# Altium PCB S7.PcbDoc (part 4 of 6) (continued)
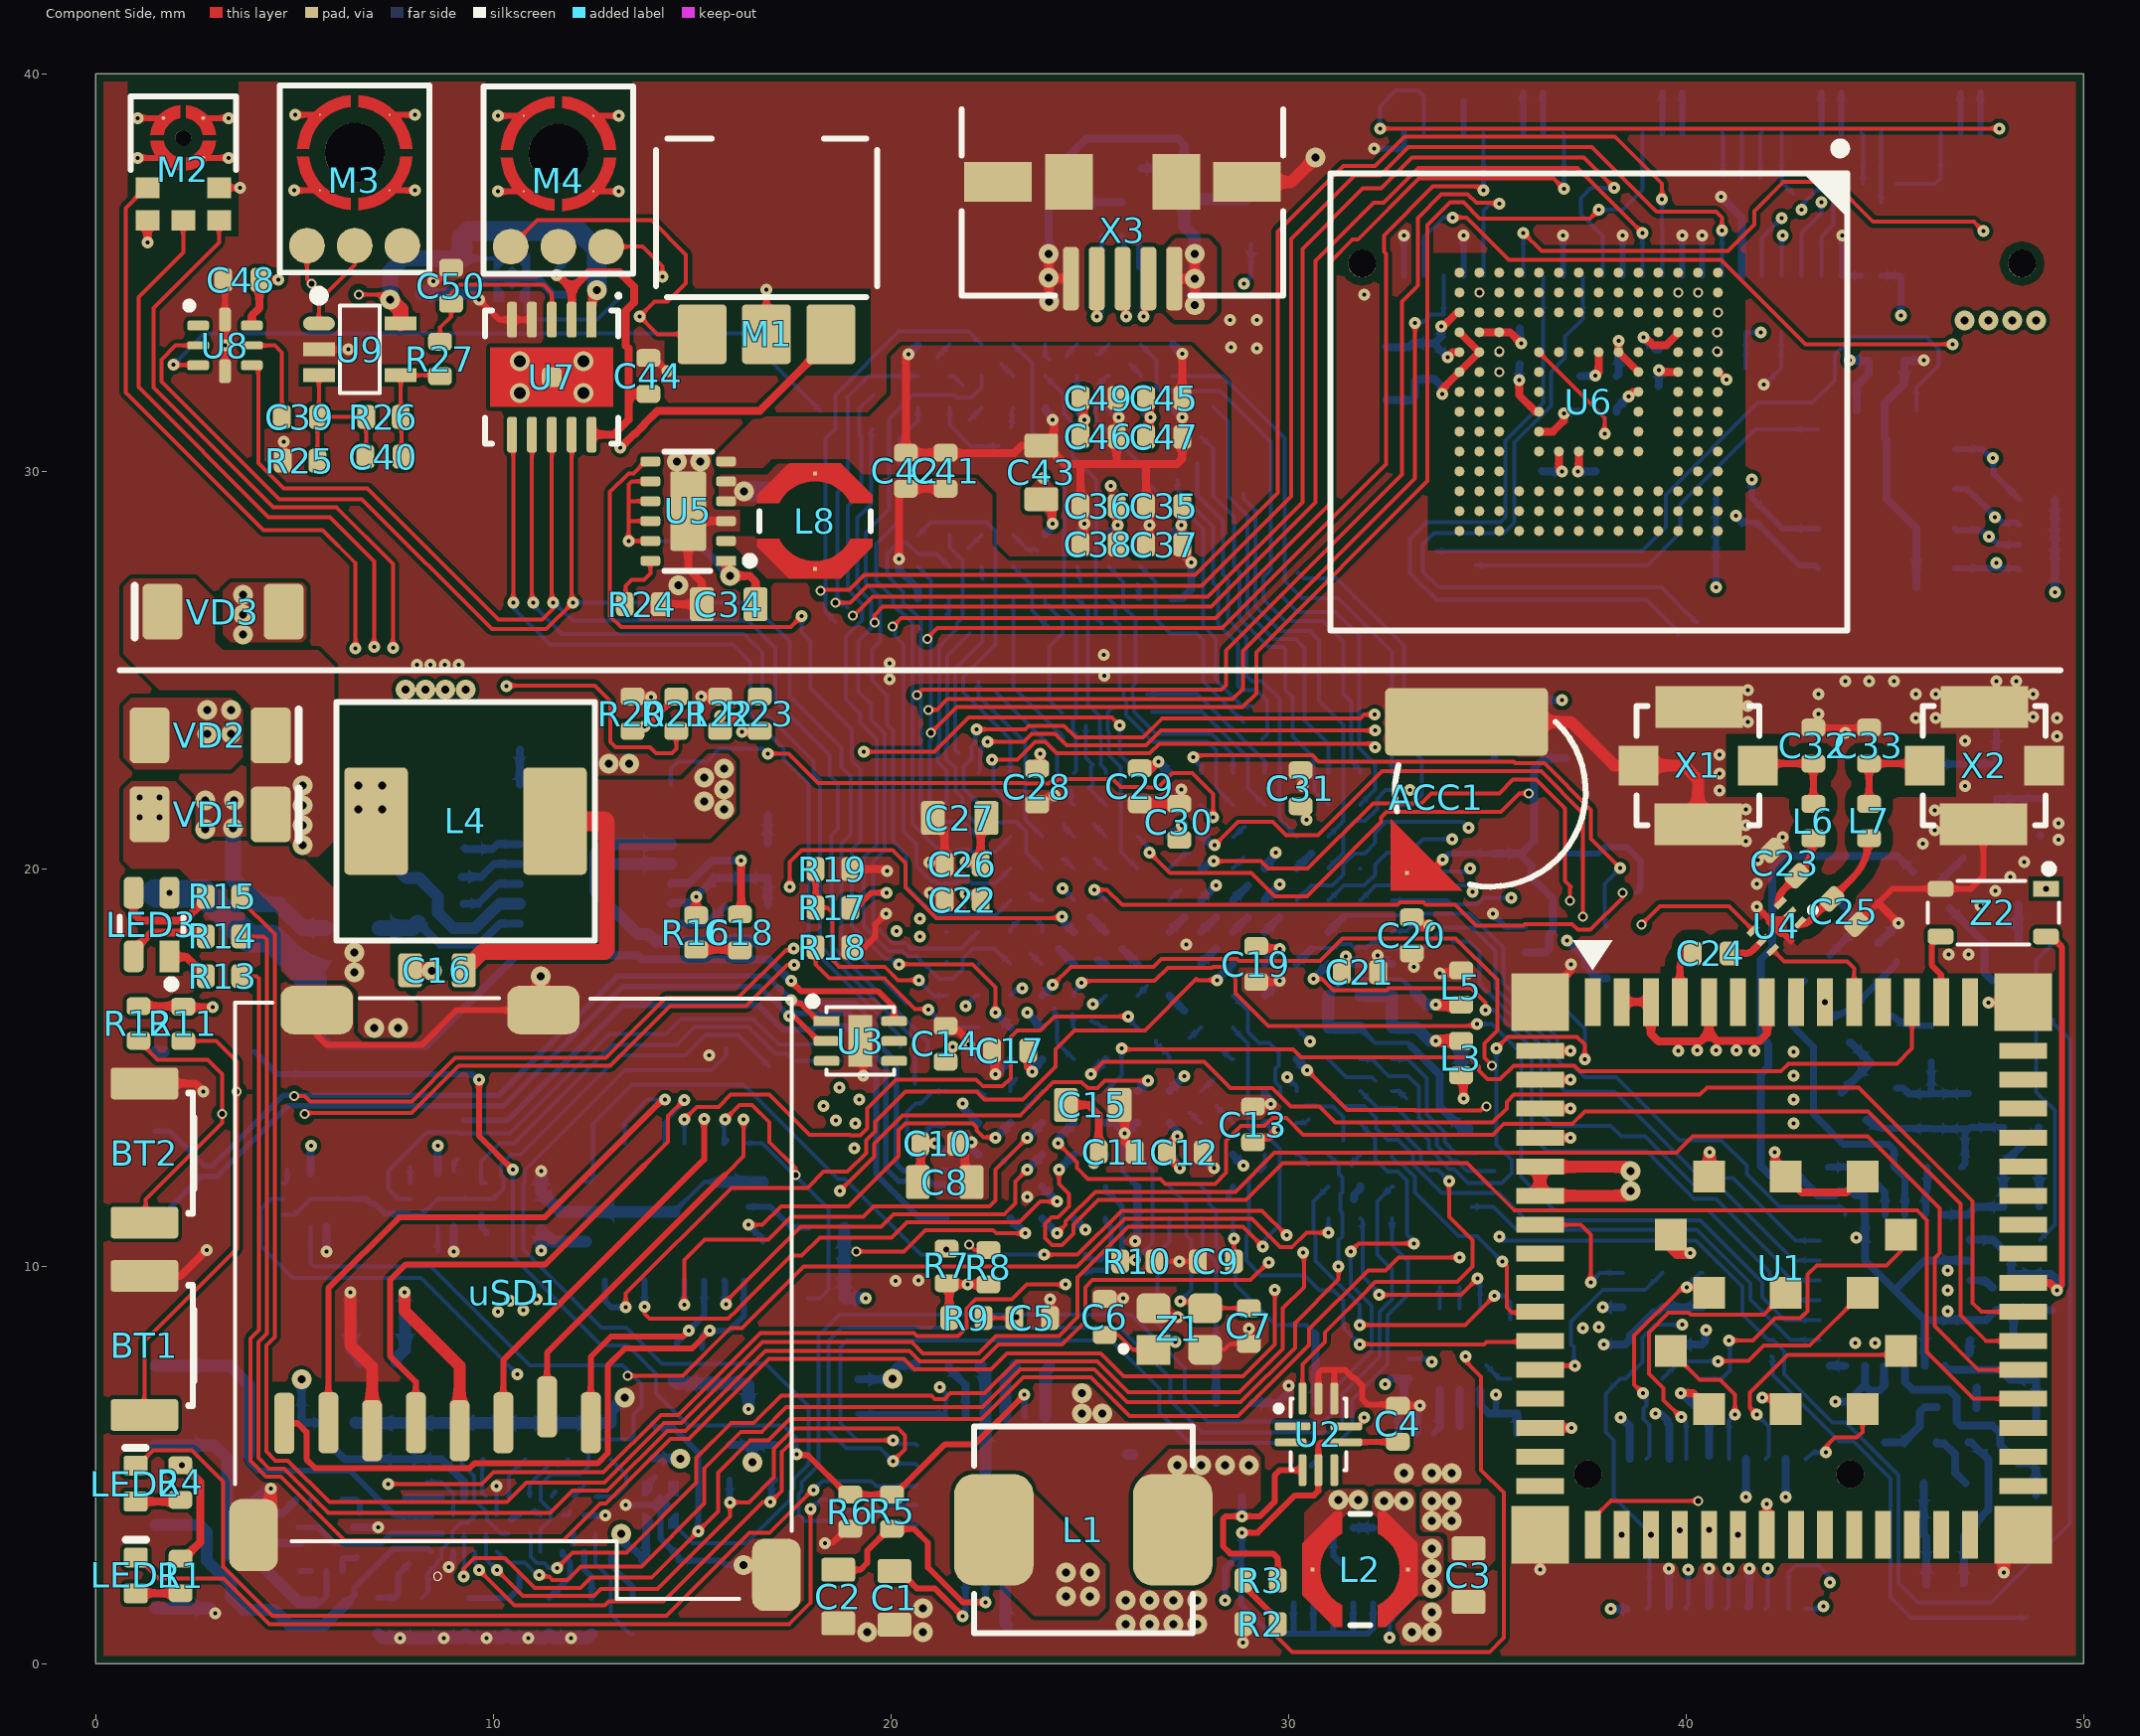
[diagram p0: Component Side view]
## Nets (pads, with @x,y where several pads share a name; then routed paths per layer and width w, separated by ;. In a path a pad name is that pad's centre, name@x,y a point inside that pad or via, vN(x,y) a via of type N, cw(c..) or ccw(c..) an arc to the next point about the centre after c; other vN are vias at no path point) (continued)
  Solder Side w0.1: v1(18.051,4.375) 18.276,4.6 19.502,4.6 19.626,4.477 20.627,4.477 U11.4@20.65,4.5
NetLED2_2: LED2.2 R4.1 | length 1.1
  Component Side w0.2: LED2.2@1,4.083 2.084,4.083 R4.1@2.127,4.125
NetLED3_1: LED3.1 R13.2 | length 1.2
  Component Side w0.2: LED3.1@1.85,17.8 1.868,17.782 2.283,17.782 2.573,17.492 2.641,17.492 2.765,17.368 R13.2@2.765,17.3
NetLED3_2: LED3.2 R14.2 | length 2.2
  Component Side w0.2: LED3.2@0.95,17.8 0.95,17.95 1.4,18.4 2.665,18.4 R14.2@2.765,18.3
NetLED3_3: LED3.3 R15.2 | length 2.7
  Component Side w0.2: LED3.3@0.95,19.4 0.95,18.875 1.125,18.7 2.233,18.7 2.765,19.232 R15.2@2.765,19.3
NetM3_2: M3.2 U9.1 | length 2.3
  Component Side w0.1: U9.1@5.612,33.717 5.612,34.298 6.512,35.198 M3.2@6.512,35.677
NetR10_1: R10.1 U17.G13 | length 3.4
  Component Side w0.1: R10.1@25.765,10.125 25.8,10.16 v1(26.14,10.16)
  Solder Side w0.1: v1@26.137,10.163 26.575,10.6 26.575,12.429 U17.G13@26.2,12.804
NetR17_2: R17.2 R19.2 U17.A8 | length 5.9
  Component Side w0.1: R17.2@18.105,19.02 18.404,19.02 18.525,18.898 18.525,17.711 18.697,17.539 19.837,17.539 20.176,17.2 v1(20.7,17.2)
  Component Side w0.15: R17.2@18.105,19.02 R19.2@18.105,19.99
  Solder Side w0.1: v1(20.7,17.2) 20.7,17.185 21.081,16.804 U17.A8@21.4,16.804
NetR18_2: R18.2 U17.A9 U17.B9 | length 5.2
  Component Side w0.1: R18.2@18.105,18.023 18.105,17.593 18.452,17.246 19.836,17.246 20.607,16.475 20.923,16.475 v1(20.943,16.457) v1(20.943,16.457)
  Solder Side w0.1: v1(20.943,16.457) 20.945,16.457 21.398,16.004 U17.B9@22.2,16.004
NetR30_2: R30.2 U16.3 | length 4.7
  Inner4 w0.2: v2(45.2,6.435) 45.2,6.55 45.85,7.2 45.874,7.2 47.413,8.739 47.413,8.763 47.7,9.05 47.7,9.45 v2(47.721,9.471)
  Solder Side w0.2: U16.3@47.15,9.65 47.514,9.65 47.694,9.471 v2(47.721,9.471)
NetR36_2: R36.2 U1.54 | length 3.5
  Component Side w0.1: U1.54@36.325,11.045 37.355,11.045 37.6,10.8 v1(37.6,9.6)
  Solder Side w0.1: v1(37.6,9.6) 37.835,9.835 R36.2@38.4,9.835
NetR38_2: R38.2 U1.49 | length 4.9
  Component Side w0.1: U1.49@36.325,7.395 36.43,7.5 v1(37.2,7.5)
  Solder Side w0.1: v1(37.2,7.5) 37.175,7.525 37.175,7.974 37.11,8.039 37.11,8.606 37.906,9.402 38.967,9.402 R38.2@39.4,9.835
NetR39_2: R39.2 U1.68 | length 7.8
  Component Side w0.1: v1(41.076,8.136) 41.681,8.136 42.245,8.7 42.865,8.7 42.952,8.786 42.969,8.786 43.057,8.874 43.057,9.796 43.286,10.025 45.04,10.025 45.403,10.388 U1.68@45.403,10.798
  Solder Side w0.1: R39.2@40.4,7.165 40.886,7.165 41.1,7.379 41.1,8.112 v1(41.076,8.136)
NetR40_2: R40.2 U1.70 | length 5.9
  Component Side w0.1: v1(40.8,7.612) 40.805,7.617 41.562,7.617 41.955,8.01 43.111,8.01 U1.70@44.438,9.336
  Solder Side w0.1: R40.2@39.4,7.165 39.847,7.612 v1(40.8,7.612)
NetR41_2: R41.2 U11.12 | length 1.3
  Solder Side w0.3: U11.12@23.875,6.225 23.875,7.332 23.98,7.438 R41.2@23.98,7.512
NetR42_2: R42.2 U11.8 | length 1.5
  Solder Side w0.2: R42.2@21.46,7.512 21.46,7.431 21.875,7.016 U11.8@21.875,6.225
NetR43_1: R43.1 U11.10 | length 1.4
  Solder Side w0.3: U11.10@22.875,6.225 22.875,7.19 23.123,7.438 R43.1@23.123,7.512
NetR49_2: R49.2 U23.8 | length 1.5
  Solder Side w0.2: U23.8@14.462,18.625 15.385,18.625 R49.2@15.8,19.039
NetR51_2: R51.2 VD4.2 | length 1.5
  Solder Side w0.2: VD4.2@35.175,22.779 R51.2@35.175,24.239
NetR52_5: R52.5 U6.B2 U24.9 | length 14.1
  Inner1 w0.08: v4(40.3,34.5) 40.387,34.587 41.265,34.587 45.072,30.78 47.68,30.78 48.087,30.373 48.087,27.811 48.018,27.742 47.842,27.742 v1(47.8,27.7)
  Solder Side w0.15: U24.9@46.765,27.562 48.33,27.562 R52.5@48.375,27.517
NetR52_6: R52.6 U6.M5 U24.7 | length 16
  Component Side w0.1: U6.M5@35.3,33 35.3,33.011 v4(35.304,33.015)
  Inner1 w0.08: v4(35.304,33.015) 35.729,32.59 37.128,32.59 41.359,28.359 v1(47.617,28.359)
  Solder Side w0.15: U24.7@46.765,28.562 46.807,28.521 47.415,28.521 47.576,28.359 47.658,28.359 47.861,28.155 R52.6@48.375,28.155
NetR52_7: R52.7 U6.M6 U24.5 | length 17.2
  Component Side w0.1: v4(35.3,32.497) U6.M6@35.3,32.5
  Inner1 w0.08: v4(35.3,32.497) 35.342,32.455 35.342,32.348 35.943,31.747 37.561,31.747 41.239,28.069 47.737,28.069 47.907,28.239 47.907,28.479 47.805,28.581 47.805,28.816 v1(47.771,28.851)
  Solder Side w0.15: U24.5@46.765,29.562 47.05,29.562 47.235,29.377 47.262,29.377 47.771,28.869 v1(47.771,28.851) 47.811,28.851 47.957,28.705 48.325,28.705 R52.7@48.375,28.655
NetR52_8: R52.8 U6.A3 U24.3 | length 10.8
  Component Side w0.1: U6.A3@40.8,34 v4(40.808,34)
  Inner1 w0.08: v4(40.808,34) 41.002,33.805 41.167,33.805 44.643,30.328 v1(47.722,30.328)
  Solder Side w0.15: U24.3@46.765,30.562 47.447,30.562 47.681,30.328 v1(47.722,30.328) 47.727,30.323 47.727,29.953 48.375,29.305 R52.8@48.375,29.292
NetR53_5: R53.5 U6.A5 U24.14 | length 6.1
  Inner1 w0.08: v4(40.785,33.015) 40.785,32.955 40.729,32.899 40.729,30.718 v1(41.65,29.797)
  Solder Side w0.15: v1(41.65,29.797) 41.65,29.335 42.422,28.563 U24.14@43.315,28.563
NetR53_6: R53.6 U6.A4 U24.12 | length 7.8
  Component Side w0.15: v4(40.785,33.5) U6.A4@40.8,33.5
  Inner1 w0.08: v4(40.785,33.5) 40.4,33.115 40.4,29.732 v1(41.25,28.881)
  Solder Side w0.1: R53.6@41.421,28.71 R53.6@41.65,28.71
  Solder Side w0.15: R53.6@41.65,28.71 41.775,28.71 42.857,27.627 43.25,27.627 U24.12@43.315,27.563
  Solder Side w0.2: v1(41.25,28.881) R53.6@41.421,28.71
NetU1_13: U1.13 Z2.3 | length 1.8
  Component Side w0.15: Z2.3@46.4,18.3 46.175,18.075 46.175,17.577 46.415,17.337 U1.13@46.415,16.65
NetU13_C9: U13.C9 U19.7 | length 8.6
  Inner4 w0.08: v2@8.6,10.375 8.6,6.17 v2(9.209,5.56)
  Solder Side w0.1: v2@8.6,10.375 U19.7@8.6,11 ; v2(9.209,5.56) 9.21,5.029 9.509,4.73 9.509,4.692 9.513,4.689 9.513,4.129 9.838,3.804 9.838,3.624 10.189,3.273 U13.C9@10.363,3.273
  other v2: 8.542,10.355
NetU13_C15: U13.C15 U14.2 U14.7 | length 3.9
  Solder Side w0.15: U14.2@5.105,3.437 5.59,3.437 5.99,3.037 U14.7@6.505,3.037 7.191,3.037 7.426,3.273 U13.C15@8.713,3.273
NetU13_D6: U13.D6 U20.7 | length 16.9
  Solder Side w0.1: U20.7@5.4,11 5.4,10.086 5.488,9.998 8.427,9.998 10.912,7.512 13.25,7.512 13.728,7.035 13.728,6.474 13.525,6.272 13.525,5.728 13.437,5.64 12.662,5.64 12.388,5.365 12.388,4.962 12.198,4.773 11.449,4.773 11.3,4.624 11.3,4.621 11.188,4.508 11.188,4.104 11.438,3.854 11.438,3.624 11.184,3.37 11.184,2.821 U13.D6@11.188,2.818
NetU13_D8: U13.D8 U19.5 | length 9.3
  Inner4 w0.08: v2(9.82,10.829) 9.82,7.054 10.316,6.558 10.479,6.395 10.479,4.249 9.974,3.744 9.974,3.39 10.464,2.9 v2(10.6,2.9)
  Solder Side w0.15: U19.5@9.7,11.3 9.7,10.989 9.82,10.87 v2(9.82,10.829)
NetU17_K14: U17.K14 VD5.1 | length 17.6
  Inner4 w0.08: v2(28.46,11.7) 28.931,11.7 30.33,13.099 30.753,13.099 31.701,14.046 31.701,14.873 31.947,15.119 32.569,15.119 32.665,15.023 34.358,15.023 35.105,15.77 35.68,15.77 38.75,18.84 v2(38.75,19.402)
  Solder Side w0.15: v2@28.489,11.729 28.489,11.825 28.6,11.936 U17.K14@28.6,12.004 ; VD5.1@36.975,20.379 37.785,20.379 37.946,20.54 38.522,20.54 38.85,20.212 38.85,19.502 v2(38.75,19.402)
NetU26_3: U26.3 X3.4 | length 3
  Component Side w0.138: v1(25.175,33.892) X3.4@25.174,34.85
  Solder Side w0.138: v1(25.175,33.892) 25.299,34.017 U26.3@25.299,35.925
NMI: R8.1 U17.B8 | length 7.7
  Component Side w0.1: v4(21.962,10.55) 22.103,10.41 R8.1@22.45,10.41
  Inner1 w0.08: v1(21.875,16.55) 21.875,16.418 21.182,15.725 21.182,13.558 22.03,12.71 21.962,12.642 v4(21.962,10.55)
  Solder Side w0.1: v1@21.825,16.5 v1(21.875,16.55) 22.129,16.804 U17.B8@22.2,16.804
PVCC: C102.1 U23.9 U23.11 U23.16 | length 12.7
  Inner4 w0.2: v10(9.25,19.125) 9.909,19.125 10.492,19.707 10.492,22.748 10.662,22.918 v10(10.662,22.999)
  Inner4 w0.4: v10(8.1,18.7) 8.825,18.7 v10(9.25,19.125)
  Solder Side w0.2: v10@8.1,18.65 8.65,18.1 9.641,18.1 10.165,18.623 10.661,18.623 U23.9@10.662,18.625 ; v10(9.25,19.125) 9.625,19.125 10.125,19.625 U23.11@10.662,19.625 ; U23.16@10.662,22.125 v10@10.662,22.998
  Solder Side w0.4: C102.1@7.137,18.512 7.962,18.512 v10@8.1,18.65
PVIN: C101.1 R21.1 U23.10 U23.14 VD1.1 VD2.1 VD3.1 | length 14.9
  Component Side w0.1: v1(10.332,24.6) 10.341,24.609 12.55,24.609 12.937,24.223 12.937,23.201 13.081,23.056 13.944,23.056 14.095,22.905 14.49,22.905 14.6,23.015 R21.1@14.6,23.465
  Inner4 w0.1: v7(9.813,21.071) 9.813,24.081 v1(10.332,24.6)
  Solder Side w0.3: C101.1@6.837,20.403 7.183,20.403 7.814,19.772 8.128,19.772 8.6,19.3 8.6,18.9 8.989,18.511 9.545,18.511 10.158,19.125 U23.10@10.662,19.125
  other v3: 5.2,20.6 5.2,21.1 5.2,21.6 5.2,22.1
PVIN_V: R20.1 R21.2 U17.M9 | length 49.1
  Component Side w0.15: v12@13.821,23.556 R21.2@14.6,24.335
  Inner1 w0.08: v12(13.8,23.578) 13.808,23.57 13.808,23.45 14.008,23.25 15.615,23.25 15.959,22.906 15.962,22.906 16.19,22.677 16.19,22.675 16.7,22.164 16.7,13.789 18.212,12.277 19.943,12.277 20.44,12.774 20.44,16.53 21.498,17.587 22.104,17.587 23.053,18.537 23.053,19.343 25.36,21.65 28.225,21.65 28.7,21.175 28.7,16.384 28.1,15.784 28.1,13.269 27.7,12.869 27.7,12.373 28.227,11.846 30.096,11.846 31,12.75 31,15.197 v1(30.543,15.655)
  Solder Side w0.1: U17.M9@30.2,16.004 30.2,15.997 v1(30.543,15.655)
PWR: P_PWR_+1.1 VD2.2 | length 0
  Solder Side w0.3: P_PWR_+1.1@1.5,23.4 P_PWR_+1.1@1.504,23.404
  other v3: 2.8,23.4 3.4,23.4 2.8,24 3.4,24
PWR_GOOD: U10.7 U17.D9 | length 29.4
  Inner1 w0.08: v1(23.425,16.379) 23.425,15.435 23.16,15.17 23.16,13.66 23.015,13.515 23.015,9.945 20.854,7.785 20.854,6.771 21.19,6.435 21.399,6.435 22.016,7.052 22.016,7.941 22.282,8.208 25.141,8.208 27.711,5.638 28.98,5.638 30.369,4.249 30.369,2.414 32.126,0.657 v1(32.548,0.657)
  Solder Side w0.1: v1(32.548,0.657) 32.548,1.041 32.625,1.118 U10.7@32.625,1.525
  Solder Side w0.2: v1(23.425,16.379) U17.D9@23.8,16.004
PWR_SEL: U11.2 U17.P12 | length 32.9
  Component Side w0.1: v1(31.562,10.375) 31.763,10.575 v1(33.154,10.575)
  Solder Side w0.1: U11.2@20.65,3.5 20,3.5 19.649,3.851 18.667,3.851 18.416,3.6 17.851,3.6 17.675,3.776 17.675,4.266 17.751,4.342 17.751,4.568 18.176,4.993 18.176,8.257 18.705,8.786 26.04,8.786 27.386,7.44 27.386,6.678 27.967,6.098 30.896,6.098 31.063,6.264 31.063,6.848 32.088,7.874 32.088,9.004 31.562,9.529 v1(31.562,10.375) ; U17.P12@31.8,13.604 31.8,13.591 32.181,13.21 32.181,12.693 32.495,12.379 32.755,12.379 32.975,12.159 32.975,10.808 33.154,10.629 v1(33.154,10.575)
RESET: C5.1 R9.1 U17.F8 X4.10 | length 33.5
  Component Side w0.1: R9.1@22.335,8.7 C5.1@23.1,8.7
  Inner1 w0.08: v4(23.16,8.725) 23.389,8.725 ; v1(25.08,16.601) 24.761,16.282 24.761,15.261 24.58,15.08 24.58,10.2 23.496,9.116 23.496,8.831 23.389,8.725 ; v1(43.45,1.45) 39.815,1.45 39.415,1.85 39.24,1.85 35.39,5.7 32.28,5.7 32.27,5.71 29.35,5.71 29.057,6.003 27.699,6.003 25.262,8.44 23.674,8.44 23.389,8.725
  Solder Side w0.1: v1(25.08,16.601) 25.197,16.601 U17.F8@25.4,16.804 ; X4.10@43,1.378 43.378,1.378 v1(43.45,1.45)
RF_ANT_SW: R45.2 U17.D8 | length 53.5
  Component Side w0.1: v1(24.07,17.077) 24.531,17.538 26.608,17.538 26.799,17.729 28.704,17.729 28.754,17.679 30.791,17.679 31.359,18.248 34.21,18.248 35.253,17.206 35.253,15.932 35.101,15.78 34.925,15.604 34.925,15.241 v4(35.116,15.05)
  Inner1 w0.1: v4(35.116,15.05) 35.374,14.792 35.374,10.824 v1(35.3,10.75)
  Solder Side w0.1: v1(35.3,10.75) 35.4,10.65 40.256,10.65 41.423,9.483 41.423,8.783 42.066,8.141 42.196,8.141 42.473,7.864 42.473,7.287 43.684,6.076 44.011,6.076 45.348,4.74 45.348,2.029 45.827,1.55 47.662,1.55 49.65,3.538 49.65,15.71 49.235,16.125 R45.2@49.235,16.2
  Solder Side w0.2: U17.D8@23.8,16.804 24.07,17.074 v1(24.07,17.077)
RF_BUSY: U16.14 U17.N11 | length 15.2
  Solder Side w0.1: U17.N11@31,14.404 31.013,14.404 31.388,14.029 31.905,14.029 32.2,13.734 32.2,13.474 32.495,13.179 32.755,13.179 33.125,12.81 33.125,12.575 33.851,11.849 35.291,11.849 35.981,11.158 40.354,11.158 41.918,9.594 41.918,9.218 42.486,8.65 U16.14@43.35,8.65
RF_CS: U16.19 U17.N6 | length 17.4
  Solder Side w0.1: 31.375,18.779 31.425,18.829 32.967,18.829 33.009,18.871 34.551,18.871 35.4,18.022 35.4,17.115 36.757,15.758 36.757,15.215 36.909,15.064 37.147,15.064 37.452,14.759 38.241,14.759 39.825,13.175 40.881,13.175 41.525,12.531 41.525,12.325 42.35,11.5 43.908,11.5 44,11.408 U16.19@44,11.3
  Solder Side w0.2: U17.N6@31,18.404 31.375,18.779
RF_DIO1: U16.13 U17.R10 | length 15.6
  Inner4 w0.08: v2(34.609,11.5) 34.609,12.481 34.732,12.603 34.732,12.844 v2(34.739,12.851)
  Solder Side w0.1: U17.R10@32.6,15.204 33.003,15.204 33.474,14.733 33.474,13.826 33.924,13.376 33.924,13.142 ; 33.925,13.141 33.925,13.132 34.207,12.85 34.738,12.85 v2(34.739,12.851) ; v2(34.609,11.5) 35.154,11.5 35.733,10.92 40.269,10.92 41.623,9.566 41.623,9.153 42.626,8.15 U16.13@43.35,8.15
RF_MISO: U16.16 U17.N7 | length 17.9
  Component Side w0.1: v1(30.625,17.229) 30.848,17.229 31.127,16.95 32.473,16.95 32.521,16.998 34.59,16.998 34.953,16.636 v1(34.953,16.447)
  Solder Side w0.1: v1(34.953,16.447) 35.162,16.447 36.118,15.491 36.118,13.282 36.5,12.9 39,12.9 40.2,11.7 40.751,11.7 42.3,10.151 42.3,10.017 42.667,9.65 U16.16@43.35,9.65
  Solder Side w0.2: v1(30.625,17.229) U17.N7@31,17.604
RF_MOSI: U16.17 U17.P6 | length 16.5
  Inner4 w0.08: v2@31.85,18.4 32.379,18.4 32.758,18.022 33.95,18.022 34.104,18.176 v2(34.132,18.176)
  Solder Side w0.1: v2(34.132,18.176) 34.544,18.176 34.803,17.917 34.803,17.112 36.357,15.558 36.357,13.849 36.67,13.537 38.108,13.537 38.376,13.27 38.968,13.27 40.288,11.95 40.914,11.95 42.714,10.15 U16.17@43.35,10.15
  other v2: 31.8,18.404
RF_RST: U16.15 U17.E8 | length 24.7
  Component Side w0.1: v1(24.787,17.129) 24.826,17.167 24.897,17.167 24.909,17.179 26.633,17.179 26.965,17.511 28.082,17.511 28.101,17.529 28.349,17.529 28.451,17.427 28.462,17.427 28.663,17.227 28.663,16.872 29.486,16.048 v1@34.738,16.048
  Solder Side w0.1: U17.E8@24.6,16.804 24.6,16.888 24.787,17.075 v1(24.787,17.129) ; v1(34.738,16.096) 35.115,16.096 35.85,15.362 35.85,12.25 36.692,11.408 40.551,11.408 42.1,9.858 42.1,9.695 42.645,9.15 U16.15@43.35,9.15
RF_SCK: U16.18 U17.M7 | length 18
  Solder Side w0.1: 30.575,17.979 30.606,18.01 31.175,18.01 31.279,18.114 31.55,18.114 31.646,18.018 31.967,18.018 32.087,18.138 32.334,18.138 32.394,18.078 32.415,18.078 32.493,18 33.393,18 33.911,18.518 34.621,18.518 35.2,17.939 35.2,16.998 36.557,15.64 36.557,14.805 36.972,14.391 38.196,14.391 40.362,12.225 41.175,12.225 42.75,10.65 U16.18@43.35,10.65
  Solder Side w0.2: U17.M7@30.2,17.604 30.575,17.979
RF_SW0: U1.9 U4.4 | length 11.8
  Component Side w0.1: v4(38.879,18.6) 39.341,19.063 41.076,19.063 U4.4@41.685,18.455
  Inner1 w0.1: v4(38.879,18.6) 38.879,16.245 39.32,15.804 39.32,15.363 39.597,15.086 41.949,15.086 42.794,15.93 43.1,15.93 43.495,16.325 v4(43.495,16.65)
RF_SW3: U1.10 U4.6 | length 3.1
  Component Side w0.1: U4.6@42.18,17.96 42.467,17.672 44.05,17.672 44.225,17.497 U1.10@44.225,16.65
SCK8: U7.8 U8.5 U17.K12 | length 42.8
  Component Side w0.1: U8.5@3.925,32.667 4.013,32.667 4.087,32.593 4.087,30.213 4.73,29.57 6.828,29.57 10.129,26.269 11.225,26.269 11.5,26.544 v1(11.5,26.7) 11.5,26.731 11.472,26.759 U7.8@11.472,30.924
  Inner4 w0.08: v2(20.925,15.288) 21.163,15.05 22.178,15.05 22.427,15.299 23.383,15.299 23.495,15.188 23.729,15.188 24.721,14.195 27.974,14.195 28.132,14.037 v2(28.192,14.037)
  Solder Side w0.1: v1(11.5,26.7) 11.509,26.7 11.52,26.711 11.989,26.242 16.402,26.242 17.087,25.556 17.087,24.227 18.449,22.865 18.449,22.352 18.672,22.129 18.672,21.021 18.502,20.852 18.502,18.074 20.925,15.651 20.925,15.338 v2@20.9,15.313 ; v2(28.192,14.037) 28.192,14.025 28.6,13.616 U17.K12@28.6,13.604
SCL: R32.1 U11.5 U13.C11 U17.R14 X6.40 | length 77.2
  Component Side w0.1: v1(10.088,2.363) 10.738,1.713 12.525,1.713 12.7,1.888 14.124,1.888 15.949,3.712 v1(15.949,4.062) 16.424,4.062 17.053,4.691 17.053,5.41 17.568,5.925 20.174,5.925 20.35,5.749 20.35,5.4 v1(20.05,5.1)
  Inner4 w0.08: v2(32.631,12.004) 32.886,12.004 35.109,14.227 35.109,14.823 39.065,18.779 39.065,19.533 39.04,19.558 39.04,25.714 39.636,26.31 39.88,26.31 39.979,26.211 v2(40.285,26.211)
  Solder Side w0.1: U13.C11@9.813,3.273 9.813,2.638 v1(10.088,2.363) ; v1(20.05,5.1) 19.725,5.425 18.875,5.425 18.426,5.874 18.426,8.125 18.758,8.457 25.749,8.457 27.024,7.182 27.024,6.619 27.828,5.815 31.102,5.815 31.35,6.062 31.35,6.787 32.288,7.725 32.288,8.859 32.6,9.171 32.6,9.921 32.225,10.296 32.225,11.629 U17.R14@32.6,12.004 v2(32.631,12.004) ; v1@20.05,5.12 20.084,5.12 20.17,5.034 20.616,5.034 U11.5@20.65,5 ; X6.40@37.4,34.925 37.4,33.829 36.96,33.389 36.96,32.86 36.6,32.5 36.6,31.642 35.685,30.727 35.685,28.714 35.415,28.444 33.659,28.444 33.382,28.168 33.382,27.474 33.777,27.08 39.378,27.08 40.247,26.211 v2(40.285,26.211)
  Solder Side w0.15: R32.1@15.94,4.633 15.945,4.628 15.945,4.067 v1(15.949,4.062)
SD0CLK: U17.D12 U18.15 U24.15 | length 43.6
  Component Side w0.1: v1(14.8,9.033) 14.8,10.158 15.312,10.67 16.92,10.67 17.497,11.247 19.299,11.247 19.564,11.511 22.475,11.511 22.625,11.662 22.625,12.429 v1(23.425,13.229)
  Inner4 w0.08: v1(23.425,13.229) 23.801,13.229 23.982,13.41 25.515,13.41 25.755,13.65 26.009,13.65 26.686,12.974 27.448,12.974 27.764,13.29 28.287,13.29 28.981,13.983 28.981,14.787 30.588,16.394 31.724,16.394 31.88,16.55 33.249,16.55 33.576,16.877 34.11,16.877 34.799,17.566 34.992,17.566 37.4,19.974 37.4,21.11 37.6,21.31 37.6,26.19 39.11,27.7 39.768,27.7 40.299,28.231 41.65,28.231 42.481,29.062 v2(43.315,29.062)
  Solder Side w0.15: v1(14.8,9.033) U18.15@14.8,9.65
  Solder Side w0.2: v1(23.425,13.229) U17.D12@23.8,13.604
SD0DAT0: U17.D14 U18.17 U24.17 | length 45.7
  Component Side w0.1: v1(13.808,8.981) 13.808,8.808 13.931,8.684 15.908,8.684 16.15,8.926 16.15,8.932 17.488,10.27 17.758,10.27 18.213,10.725 20.014,10.725 20.4,11.111 23.233,11.111 23.751,11.629 v1(24.175,11.629)
  Inner4 w0.08: v1(24.175,11.629) 27.078,11.629 27.599,12.15 27.599,12.422 28.001,12.824 28.62,12.824 29.575,13.779 29.683,13.779 30.151,14.247 30.278,14.247 30.868,14.837 30.868,15.204 31.535,15.87 33.487,15.87 33.58,15.963 33.877,15.963 34.236,16.322 34.236,16.437 34.965,17.166 35.201,17.166 37.81,19.775 37.81,20.52 38.11,20.82 38.11,25.983 39.312,27.185 40.445,27.185 40.97,27.71 43.69,27.71 43.836,27.856 43.836,29.541 43.377,30 v2(43.3,30)
  Solder Side w0.15: U18.17@13.8,9.65 13.808,9.642 v1(13.808,8.981)
  Solder Side w0.2: U17.D14@23.8,12.004 v1(24.175,11.629)
SD0DAT1: U17.C15 U18.8 U24.8 | length 46.1
  Component Side w0.1: v1(15.832,13.698) 16.193,14.059 16.51,14.059 16.948,13.62 16.948,13.12 17.6,12.468 v4(17.6,12.3) ; v4(19.125,10.375) 20.329,10.375 20.866,10.911 22.572,10.911 22.654,10.829 v1(23.375,10.829)
  Inner1 w0.1: v4(17.6,12.3) 17.6,11.9 v4(19.125,10.375)
  Inner4 w0.08: v1(23.375,10.829) 23.875,11.329 27.481,11.329 28.352,12.2 28.98,12.2 30.096,13.316 30.096,13.91 30.228,14.042 30.427,14.042 31.136,14.751 31.136,14.998 31.77,15.632 33.331,15.632 33.58,15.383 33.834,15.383 34.448,15.997 34.448,16.352 35.082,16.986 35.276,16.986 38.054,19.764 38.054,20.214 38.35,20.51 38.35,25.783 39.33,26.764 44.809,26.764 46.108,28.062 v2(46.765,28.062)
  Solder Side w0.1: U18.8@15.8,13.1 15.8,13.678 v1@15.82,13.698
  Solder Side w0.15: U18.8@15.8,13.1 U18.8@15.865,13.165
  Solder Side w0.2: U17.C15@23,11.204 v1(23.375,10.829)
SD0DAT2: U17.G9 U18.6 U24.6 | length 46.3
  Component Side w0.1: v1(14.8,13.696) 15.114,14.01 15.668,14.01 15.973,14.315 16.947,14.315 17.95,13.311 18.964,13.311 18.976,13.3 19.224,13.3 19.4,13.476 19.4,13.973 20.124,14.697 22.143,14.697 22.311,14.529 22.806,14.529 23.015,14.738 23.015,15.765 23.179,15.929 23.753,15.929 24.112,16.288 v1(25.963,16.288)
  Inner4 w0.08: v1(25.963,16.288) 26.941,16.288 27.179,16.05 27.374,16.05 27.38,16.055 27.64,16.055 27.646,16.05 29.652,16.05 30.361,16.759 31.207,16.759 31.597,17.149 33.189,17.149 33.454,17.414 33.454,17.525 33.59,17.662 34.329,17.662 34.844,18.177 34.94,18.177 36.925,20.162 36.925,23.714 37.17,23.958 37.17,26.53 38.871,28.231 39.492,28.231 40.562,29.302 41.673,29.302 42.934,30.562 44.075,30.562 45.575,29.062 v2(46.765,29.062)
  Solder Side w0.1: U18.6@14.8,13.1 v1(14.8,13.696) ; v1(25.963,16.288) 25.913,16.288 26.197,16.004 U17.G9@26.2,16.004
SD0DAT3: U17.C12 U18.11 U24.11 | length 44.8
  Component Side w0.1: v1(16.419,11.04) 16.768,11.04 17.239,11.511 18.924,11.511 20.188,12.774 20.188,13.416 20.367,13.595 22.054,13.595 22.154,13.495 22.154,13.42 22.325,13.249 22.605,13.249 v1(22.625,13.229)
  Inner4 w0.08: v1(22.625,13.229) 22.944,13.548 23.837,13.548 23.959,13.67 25.248,13.67 25.408,13.83 26.559,13.83 26.719,13.67 27.214,13.67 27.339,13.545 28.249,13.545 28.702,13.999 28.702,14.841 30.44,16.579 31.449,16.579 31.7,16.83 33.246,16.83 33.496,17.08 34.03,17.08 34.716,17.766 34.884,17.766 37.164,20.045 37.164,22.654 37.41,22.9 37.41,26.45 38.902,27.942 39.642,27.942 40.2,28.5 41.279,28.5 41.54,28.761 41.54,28.771 43.122,30.352 43.449,30.352 44.3,29.501 44.3,27.098 v2(44.29,27.087)
  Solder Side w0.15: v1(16.419,11.04) 16.804,10.654 U18.11@16.775,10.625
  Solder Side w0.2: v1(22.625,13.229) U17.C12@23,13.604
SD0SMD: U17.D13 U18.13 U24.13 | length 41
  Component Side w0.1: v1(15.85,9.05) 15.85,9.123 17.726,10.999 19.755,10.999 20.067,11.311 22.848,11.311 23.125,11.588 23.125,12.129 v1(23.425,12.429)
  Inner4 w0.08: v1(23.425,12.429) 23.806,12.81 24.387,12.81 24.467,12.89 25.905,12.89 26.001,12.794 27.696,12.794 27.96,13.058 28.377,13.058 29.258,13.939 29.258,14.781 30.651,16.173 33.797,16.173 34.036,16.412 34.036,16.52 34.882,17.366 35.147,17.366 37.6,19.819 37.6,20.87 37.876,21.147 37.876,26.121 39.14,27.385 39.899,27.385 40.566,28.051 43.289,28.051 v2(43.3,28.062)
  Solder Side w0.15: U18.13@15.8,9.65 15.824,9.626 v1@15.824,9.05
  Solder Side w0.2: v1(23.425,12.429) U17.D13@23.8,12.804
SD1CLK: U1.39 U17.R4 | length 23.6
  Inner1 w0.1: v1(34.57,20.006) 35.571,20.006 36.1,19.477 36.1,19.063 36.045,19.008 36.045,15.945 36.25,15.74 36.25,7.56 39.483,4.327 39.483,3.188 39.721,2.95 41.005,2.95 v4(41.305,3.25)
  Solder Side w0.1: U17.R4@32.6,20.004 33.522,20.004 33.598,19.927 34.453,19.927 34.531,20.006 v1(34.57,20.006)
SD1DAT0: U1.41 U17.N5 | length 24.3
  Component Side w0.1: U1.41@39.809,3.286 U1.41@39.845,3.25
  Inner1 w0.1: v1(34.12,20.75) 34.39,20.75 34.411,20.729 34.627,20.729 35.151,20.206 35.654,20.206 36.3,19.56 36.3,16.099 36.557,15.841 36.557,7.588 38.05,6.095 38.05,6.076 38.226,5.9 38.245,5.9 39.845,4.3 v4(39.845,3.357)
  Solder Side w0.1: U17.N5@31,19.204 31.013,19.204 31.388,19.579 31.905,19.579 32.175,19.849 32.175,20.109 32.476,20.41 33.04,20.41 33.38,20.75 v1(34.12,20.75)
SD1DAT1: U1.42 U17.P5 | length 22
  Inner1 w0.1: v1@34.708,19.461 34.708,19.57 35.724,19.57 35.9,19.394 35.9,19.146 35.8,19.046 35.8,18.613 35.724,18.537 35.724,15.914 35.95,15.688 35.95,7.532 39.115,4.367 v4(39.115,3.25)
  Solder Side w0.1: U17.P5@31.8,19.204 31.813,19.204 32.188,19.579 34.535,19.579 ; 34.576,19.576 34.592,19.56 34.592,19.508 v1@34.63,19.47
  other v1: 34.627,19.426
SD1DAT2: U1.43 U17.R5 | length 21
  Inner1 w0.1: v1(35.6,19.27) 35.6,18.695 35.333,18.428 35.333,15.879 35.685,15.527 35.685,12.015 35.75,11.949 35.75,10.693 35.685,10.628 35.685,6.686 36.736,5.635 37.545,5.635 38.385,4.795 v4(38.385,3.25)
  Solder Side w0.1: U17.R5@32.6,19.204 34.003,19.204 34.097,19.11 34.754,19.11 34.914,19.27 v1(35.6,19.27)
SD1DAT3: U1.44 U17.M5 | length 28.4
  Component Side w0.1: U1.44@37.655,3.25 37.655,3.65 38.113,4.108 38.122,4.1 v4(40.3,4.1)
  Inner1 w0.1: v1(34.535,21.029) 34.751,21.029 35.375,20.406 35.737,20.406 36.5,19.643 36.5,16.309 36.791,16.018 36.79,16.017 36.79,15.603 36.792,15.601 36.792,8.333 37.721,7.403 37.721,7.293 38.65,6.364 38.65,6 40.3,4.35 v4(40.3,4.1)
  Solder Side w0.1: U17.M5@30.2,19.204 30.575,19.579 31.105,19.579 31.381,19.855 31.381,20.116 31.651,20.385 31.912,20.385 32.178,20.652 32.178,20.913 32.445,21.179 34.385,21.179 v1(34.535,21.029)
SD1SMD: U1.40 U17.N4 | length 26.8
  Inner1 w0.1: v1(33.056,21.979) 34.446,21.979 36.7,19.726 36.7,16.445 37.75,15.395 37.75,15.086 37.6,14.936 37.6,13.199 37.095,12.694 37.095,8.33 38.62,6.806 38.62,6.677 38.85,6.447 38.85,6.086 39.026,5.91 39.296,5.91 40.625,4.581 40.625,3.325 40.581,3.369 v4(40.575,3.369)
  Solder Side w0.1: U17.N4@31,20.004 31,20.017 31.375,20.392 31.375,20.896 31.425,20.946 31.425,20.959 31.67,21.204 31.93,21.204 32.225,21.499 32.225,21.759 32.445,21.979 v1(33.056,21.979) v1@33.137,21.979
SD_EN1: U17.K7 U18.19 | length 20.9
  Component Side w0.1: v1(13.33,8.97) 13.33,9.318 15.987,11.975 17.904,11.975 18.309,12.379 18.91,12.379 19.376,12.845 19.376,13.169 19.6,13.393 19.6,13.637 20.362,14.4 22.157,14.4 22.357,14.2 23.318,14.2 24.142,15.024 24.142,15.458 24.621,15.937 26.386,15.937 27.678,17.229 27.707,17.2 v1(28.2,17.2)
  Solder Side w0.15: U18.19@12.8,9.65 12.806,9.644 12.806,9.127 12.963,8.97 v1(13.33,8.97)
  Solder Side w0.2: v1(28.2,17.2) 28.2,17.204 U17.K7@28.6,17.604
SD_EN2: U17.K8 U18.1 | length 31
  Component Side w0.1: v1(23.85,10.29) 24.693,10.29 25.802,11.399 29.331,11.399 v1(29.95,10.78)
  Inner4 w0.08: v1(29.95,10.78) 29.95,12.453 30.416,12.919 31.129,12.919 v2(31.375,13.165)
  Solder Side w0.1: U18.1@12.325,12.125 12.42,12.125 12.51,12.215 12.51,13.587 13.498,14.575 16.297,14.575 18.672,12.2 18.839,12.2 20.749,10.29 v1(23.85,10.29) ; U17.K8@28.6,16.804 28.975,16.429 28.975,15.899 29.256,15.618 29.517,15.618 29.75,15.384 29.75,15.05 29.667,14.967 29.667,14.632 29.75,14.549 29.789,14.51 29.789,14.285 30.052,14.022 30.419,14.022 30.438,14.042 30.687,14.042 30.707,14.022 31.112,14.022 31.375,13.759 v2(31.375,13.165)
SDA: R29.1 U11.6 U13.D12 U17.R15 X6.38 | length 73.9
  Component Side w0.1: v1(9.641,2.363) 10.532,1.472 12.801,1.472 12.9,1.57 14.28,1.57 16.777,4.068 v1(16.969,4.068) 17.253,4.351 17.253,5.327 17.551,5.625 v1(20.05,5.625)
  Inner4 w0.08: v2(32.6,11.204) 35.37,13.974 35.37,14.57 39.354,18.554 39.354,25.56 v2@39.75,25.956
  Solder Side w0.1: U13.D12@9.538,2.818 U13.D12@9.538,2.797 9.538,2.521 9.641,2.417 v1(9.641,2.363) ; U11.6@20.65,5.5 20.616,5.534 20.195,5.534 20.104,5.625 v1(20.05,5.625) 19.161,5.625 18.725,6.061 18.725,7.963 18.898,8.136 25.541,8.136 26.75,6.927 26.75,6.324 27.513,5.56 31.236,5.56 31.6,5.925 31.6,6.64 32.488,7.528 32.488,8.776 33,9.288 33,10.136 32.6,10.536 v2(32.6,11.204) ; X6.38@36.4,34.925 36.4,31.725 35.45,30.775 35.45,28.839 35.325,28.715 33.475,28.715 33.056,28.296 33.056,27.435 33.724,26.766 39.009,26.766 39.815,25.96 39.8,25.945 v2(39.8,25.9)
  Solder Side w0.15: v1(16.969,4.068) 16.998,4.096 16.998,4.543 R29.1@17.087,4.633
SDHC0_CMD: R44.6 U18.7 uSD1.3 | length 15.7
  Component Side w0.15: uSD1.3@10.25,6.065 10.25,7.636 15.3,12.686 v1(15.3,13.704)
  Inner4 w0.08: v1(15.3,13.704) 15.596,13.408 15.894,13.408 18.265,11.037 18.265,10.175 v2(17.926,9.836)
  Solder Side w0.1: U18.7@15.3,13.1 v1(15.3,13.704)
SDHC0_D0: R44.8 U18.3 uSD1.7 | length 21.3
  Component Side w0.15: uSD1.7@5.85,6.065 5.85,9.447 7.632,11.229 11.289,11.229 14.25,14.19 v1(14.323,14.19)
  Inner4 w0.08: v1(14.323,14.19) 14.323,13.409 14.78,12.952 15.15,12.952 15.152,12.95 15.5,12.95 16.412,12.038 v2(16.412,11.5)
  Solder Side w0.1: U18.3@13.3,13.1 13.3,13.626 13.864,14.19 v1(14.323,14.19)
  Solder Side w0.15: v2(16.412,11.5) 16.967,11.5 17.493,10.973 R44.8@17.926,10.973
SDHC0_D1: R33.2 U18.12 uSD1.8 | length 16.8
  Component Side w0.15: uSD1.8@4.744,6.048 5.08,6.048 5.3,5.828 5.3,5.14 5.52,4.92 9.399,4.92 9.523,5.044 12.623,5.044 12.875,5.295 12.875,7.5 13.309,7.934 14.993,7.934 v1(15.44,8.38)
  Solder Side w0.15: R33.2@15.25,7.95 15.25,8.262 15.363,8.375 v1@15.44,8.375 ; v1(15.44,8.38) 15.926,8.38 16.3,8.754 U18.12@16.3,9.65
SDHC0_D2: R33.1 U18.14 uSD1.1 | length 6.4
  Component Side w0.15: uSD1.1@12.45,6.065 12.45,7.719 12.968,8.237 14.772,8.237 v1(14.919,8.384)
  Solder Side w0.15: R33.1@14.613,7.95 14.613,8.078 v1(14.919,8.384) 15.3,8.765 U18.14@15.3,9.65
SDHC0_D3: R44.5 U18.9 uSD1.2 | length 15.3
  Component Side w0.1: 15.81,12.286 15.874,12.35 16.294,12.769 v1(16.294,13.698)
  Component Side w0.15: uSD1.2@11.35,6.465 11.35,7.826 15.81,12.286
  Solder Side w0.1: v1(16.294,13.698) 16.294,13.674 16.3,13.668 U18.9@16.3,13.1 16.769,13.1 18.426,11.443 18.426,9.407 18.217,9.198 R44.5@17.926,9.198
SDHC0_DCLK: R44.7 U18.5 uSD1.5 | length 20.7
  Component Side w0.1: 13.789,12.529 14.395,13.135 14.395,13.78 v1(14.8,14.185)
  Component Side w0.15: uSD1.5@8.05,6.065 8.05,7.092 7.4,7.742 7.4,9.65 7.8,10.05 11.31,10.05 13.789,12.529
  Inner4 w0.08: v1(14.8,14.185) 14.766,14.185 14.506,13.925 14.506,13.566 14.92,13.152 15.298,13.152 15.3,13.15 15.771,13.15 17.927,10.995 v2(17.927,10.336)
  Solder Side w0.1: U18.5@14.3,13.1 14.3,13.621 14.832,14.152 v1@14.8,14.184